# Altium PCB Board-PCB.PcbDoc (part 1 of 2) (continued)
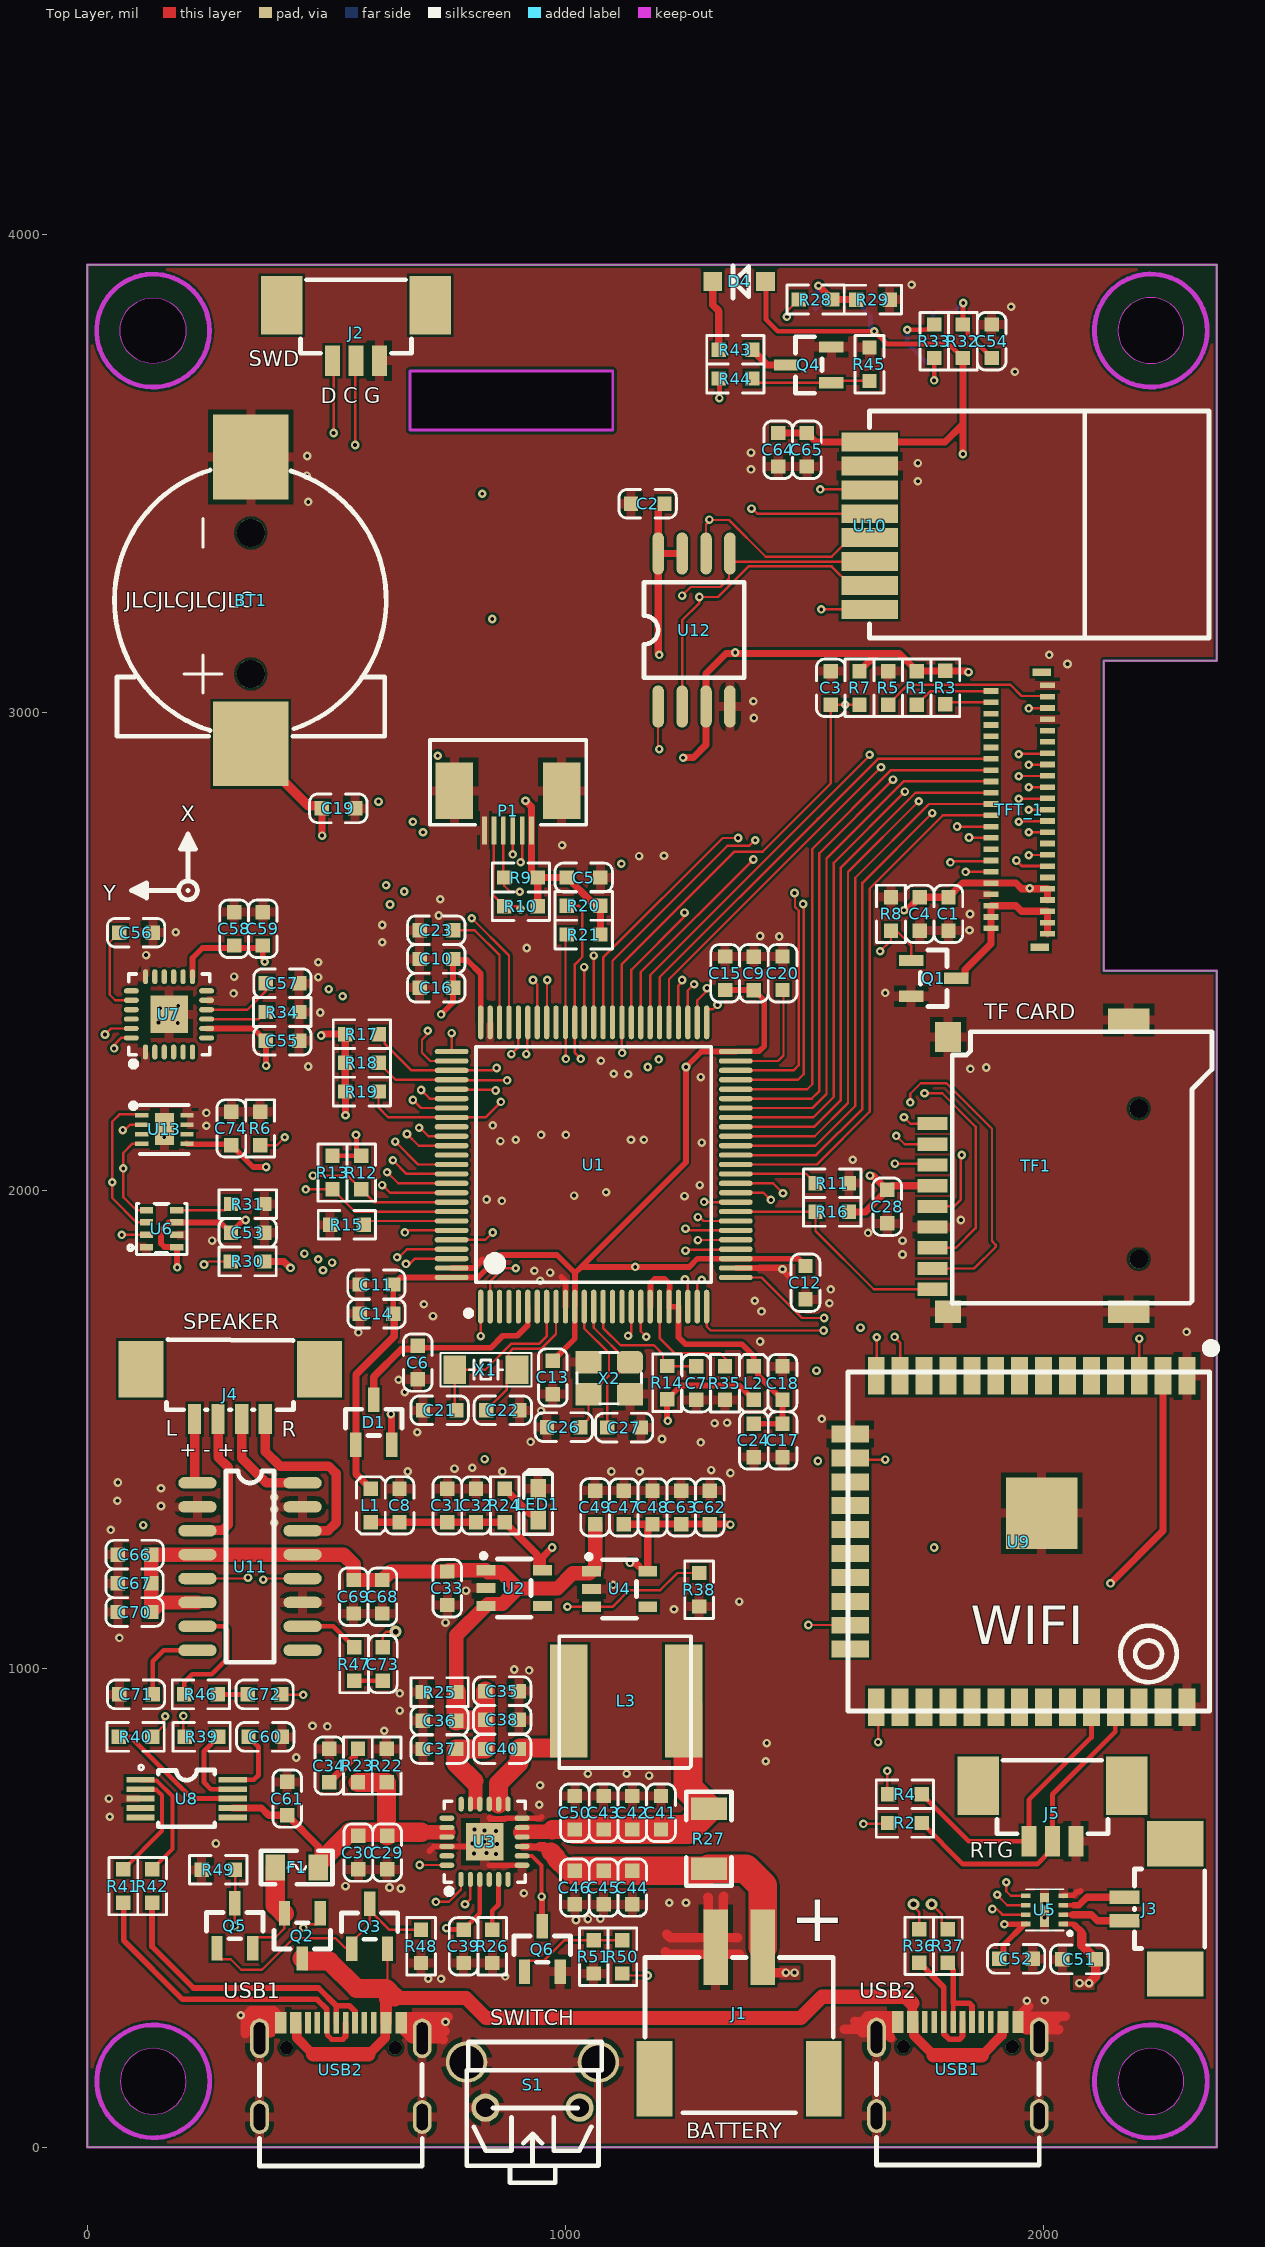
[diagram p0: Top Layer view]
## Components (designator, comment, footprint, x,y, rotation, side; value= is the part's Value field where it differs from the comment)
BT1 "CR1220" CR1220-2 387,3265 r90 top locked
C1 "10uF" "C 0603" 1800.98,2614.16 r270 top
C2 "104" "C 0603" 1207,3437 r180 top
C3 "104" "C 0603" 1555,3087 r270 top
C4 "104" "C 0603" 1740.94,2614.16 r270 top
C5 "104" "C 0603" 1003.02,2655.34 r0 top
C6 "104" "C 0603" 691,1676 r270 top
C7 "104" "C 0603" 1273.62,1562.87 r90 top
C8 "104" "C 0603" 653,1377 r270 top
C9 "104" "C 0603" 1394.04,2489.88 r270 top
C10 "104" "C 0603" 695,2485.04 r0 top
C11 "104" "C 0603" 569.76,1804.13 r0 top
C12 "104" "C 0603" 1502,1773 r90 top
C13 "104" "C 0603" 973.43,1574.8 r90 top
C14 "10uF" "C 0603" 569.88,1743.11 r0 top
C15 "10uF" "C 0603" 1334,2490 r270 top
C16 "10uF" "C 0603" 695,2425 r0 top
C17 "104" "C 0603" 1454,1513 r270 top
C18 "10uF" "C 0603" 1454,1563 r90 top
C19 "104" "C 0603" 560,2800 r180 top
C20 "2.2uF" "C 0603" 1454.08,2490 r270 top
C21 "22pF" "C 0603" 702,1541 r0 top
C22 "22pF" "C 0603" 904,1541 r180 top
C23 "2.2uF" "C 0603" 695,2545.08 r0 top
C24 "104" "C 0603" 1394,1443 r90 top
C26 "22pF" "C 0603" 961.5,1505.91 r0 top
C27 "22pF" "C 0603" 1157.6,1504.92 r180 top
C28 "104" "C 0603" 1673,2002 r270 top
C29 "104" "C 0603" 627,581 r90 top
C30 "10uF" "C 0603" 566.96,581 r90 top
C31 "104" "C 0603" 753,1377 r270 top
C32 "1uF" "C 0603" 813,1377 r270 top
C33 "1uF" "C 0603" 752.95,1133.86 r90 top
C34 "10uF" "C 0603" 505.92,833 r270 top
C35 "104" "C 0603" 902.56,953.74 r180 top
C36 "10uF" "C 0603" 701.65,891.73 r0 top
C37 "22uF" "C 0603" 701.65,832.68 r0 top
C38 "22uF" "C 0603" 902.56,893.7 r180 top
C39 "2.2uF" "C 0603" 787,385 r90 top
C40 "3.3nF" "C 0603" 902.56,832.68 r180 top
C41 "104" "C 0603" 1199.8,734.37 r270 top
C42 "10uF" "C 0603" 1139.76,734.37 r270 top
C43 "104" "C 0603" 1079.72,734.25 r270 top
C44 "104" "C 0603" 1139.76,507.87 r90 top
C45 "10uF" "C 0603" 1079.72,507.76 r90 top
C46 "104" "C 0603" 1019.69,507.76 r90 top
C47 "104" "C 0603" 1122.05,1372.91 r270 top
C48 "1uF" "C 0603" 1182.09,1372.91 r270 top
C49 "1uF" "C 0603" 1062.01,1373.03 r270 top
C50 "104" "C 0603" 1019.69,734.37 r270 top
C51 "104" "C 0603" 2039.37,392.72 r0 top
C52 "104" "C 0603" 1907.36,393.7 r0 top
C53 "104" "C 0603" 370.34,1912.39 r180 top
C54 "1uF" "C 0603" 1891.23,3741.95 r90 top
C55 "103" "C 0603" 372.91,2313.98 r0 top
C56 "2.2nF" "C 0603" 67,2540 r0 top
C57 "104" "C 0603" 443.03,2434.05 r180 top
C58 "104" "C 0603" 307,2583 r270 top
C59 "10uF" "C 0603" 367,2583 r270 top
C60 "104" "C 0603" 407,858 r180 top
C61 "10uF" "C 0603" 418,694 r90 top
C62 "104" "C 0603" 1302,1303 r90 top
C63 "10uF" "C 0603" 1242,1303 r90 top
C64 "104" "C 0603" 1445,3585 r270 top
C65 "10uF" "C 0603" 1505,3585 r270 top
C66 "1uF" "C 0603" 133.98,1239.17 r180 top
C67 "10uF" "C 0603" 133.86,1179.13 r180 top
C68 "1uF" "C 0603" 617.13,1186.02 r270 top
C69 "10uF" "C 0603" 557.09,1186.14 r270 top
C70 "1uF" "C 0603" 63.86,1119.09 r0 top
C71 "104" "C 0603" 66.93,946.85 r0 top
C72 "104" "C 0603" 335.63,946.85 r0 top
C73 "104" "C 0603" 618.11,975.39 r90 top
C74 "104" "C 0603" 301.32,2095.46 r90 top
D1 "BAT54C" SOT-23 561.6,1468.51 r270 top
D2 "LED-RES" "LED 0805" 1572.83,3845.47 r0 bottom
D4 "LED-IR" IR12-21C 1279.12,3893 r180 top
F1 "1000mA" "F 0805" 438,585 r0 top
IR1 "IRM-H638T" IRM-H638T 1892.72,3765.75 r90 bottom
J1 "CON2" XH-2P-SMD 1313.98,418.31 r0 top locked
J2 "CON3" SMD_3P-1.25 512.8,3736.22 r0 top
J3 "CON2" SMD_2P-1.25 2169.29,522.64 r270 top
J4 "CON4" SMD_4P-1.25 165.35,1542.32 r0 top
J5 "CON3" SMD_3P-1.25 1969.28,639.86 r0 top
L1 "10uH" "L 0603" 593,1377 r270 top
L2 "GZ1608D601TF" "L 0603" 1393.7,1632.87 r270 top
L3 "1uH" L_7*7 1007.05,933.07 r0 top
LED1 "LED" 0603_LED 943,1312 r270 top
P1 "TP_Cap_3.5inch 电容屏接口座" TP_CAP_3.5INCH 2263.78,3620.08 r180 bottom locked
Q1 "MOSFET-N" SOT-23 1723,2481.8 r180 top
Q2 "AO3401" SOT-23 487,489 r90 top
Q3 "SS8550" SOT-23 553,415 r270 top
Q4 "SS8050" SOT-23 1556.1,3689.96 r0 top
Q5 "SS8550" SOT-23 271.2,416 r270 top
Q6 "SS8050" SOT-23 914.2,367 r270 top
R1 "0R" "R 0603" 1735,3017 r90 top
R2 "0R" "R 0603" 1745,678 r180 top
R3 "0R" "R 0603" 1794.61,3017.44 r90 top
R4 "0R" "R 0603" 1745,738 r180 top
R5 "0R" "R 0603" 1675,3017 r90 top
R6 "4.7K" "R 0603" 361.36,2165.46 r270 top
R7 "0R" "R 0603" 1615,3087 r270 top
R8 "10K" "R 0603" 1680.9,2544.16 r90 top
R9 "4.7K" "R 0603" 871.99,2655.34 r0 top
R10 "4.7K" "R 0603" 871.99,2595.3 r0 top
R11 "10K" "R 0603" 1523,2016 r0 top
R12 "1K" "R 0603" 572.87,2003.32 r90 top
R13 "1K" "R 0603" 512.83,2003.32 r90 top
R14 "10K" "R 0603" 1212.6,1563.86 r90 top
R15 "10K" "R 0603" 578,1929 r180 top
R16 "4.7K" "R 0603" 1523,1956 r0 top
R17 "4.7K" "R 0603" 539.37,2327.76 r0 top
R18 "4.7K" "R 0603" 539.37,2267.72 r0 top
R19 "4.7K" "R 0603" 539.37,2207.68 r0 top
R20 "4.7K" "R 0603" 1073,2596 r180 top
R21 "4.7K" "R 0603" 1073,2536 r180 top
R22 "1K" "R 0603" 626,833 r270 top
R23 "2R" "R 0603" 565.96,833 r270 top
R24 "1K" "R 0603" 873,1377 r270 top
R25 "1K" "R 0603" 701.65,951.77 r0 top
R26 "100K" "R 0603" 847,455 r270 top
R27 "0.01R" "R 1206" 1300,582.01 r90 top
R28 "1K" "R 0603" 1558.07,3864.17 r180 top
R29 "10K" "R 0603" 1678,3864 r180 top
R30 "10K" "R 0603" 300.22,1852.35 r0 top
R31 "10K" "R 0603" 300.34,1972.43 r0 top
R32 "100R" "R 0603" 1831.19,3741.95 r90 top
R33 "100R" "R 0603" 1771.15,3741.95 r90 top
R34 "4.7K" "R 0603" 442.91,2374.02 r180 top
R35 "0R" "R 0603" 1333.66,1562.87 r90 top
R36 "22R" "R 0603" 1739.76,385.91 r90 top
R37 "22R" "R 0603" 1799.8,385.91 r90 top
R38 "10K" "R 0603" 1279.53,1130.79 r90 top
R39 "1K" "R 0603" 274,858 r180 top
R40 "1K" "R 0603" 66,858 r0 top
R41 "22R" "R 0603" 75.39,510.91 r90 top
R42 "22R" "R 0603" 135.43,510.91 r90 top
R43 "22R" "R 0603" 1390.5,3759 r180 top
R44 "1K" "R 0603" 1320.39,3698.96 r0 top
R45 "10K" "R 0603" 1635.83,3763.9 r270 top
R46 "10K" "R 0603" 272.64,946.85 r180 top
R47 "10K" "R 0603" 558.07,975.39 r90 top
R48 "10K" "R 0603" 698,385 r90 top
R49 "10K" "R 0603" 239,580 r0 top
R50 "1K" "R 0603" 1119,433 r270 top
R51 "10K" "R 0603" 1059,363 r90 top
S1 "Swtich" SW3*6 926.18,125 r0 top
TF1 "TF Card" TF-CARD 1767.91,2140.75 r0 top locked
TFT_1 "TFT_3.5_Tiky_ODM" TFT_3.5_TIKY_ODM 98.43,3620.08 r0 bottom locked
U1 "STM32F429VGT6" LQFP100 822.84,1757.88 r0 top
U2 "RT9013" SOT23-5 833.66,1206.69 r180 top
U3 "IP5109" QFN-24 781.5,560.04 r0 top
U4 "RT9013" SOT23-5 1054.13,1204.72 r180 top
U5 "DRV8837" WSON-8 1996.98,506.06 r90 top
U6 "BMP280" LGA-8 225.52,1901.05 r0 top
U7 "MPU6050" QFN-24 121.55,2290.35 r0 top
U8 "CH340E" MSOP-10 111,768.37 r270 top
U9 "ESP32-WROOM-32U" ESP32-WROOM-32U 1947.82,1266.55 r0 top
U10 "NRF24l01" NRF24L01 1940.94,3491.14 r270 top
U11 "PAM8403" SOP-16 390.32,1309.17 r270 top
U12 "XM25QH128AHIG" SOIC-8 1163,3338 r0 top
U13 "SHT3X" DFN-8 113.68,2157.87 r270 top
USB1 "TYPE-C" USB-TYPE-C 1820.67,163.39 r90 top
USB2 "TYPE-C" USB-TYPE-C 530.32,161.42 r90 top
X1 "32.768KHZ" XTAL-3215 768.7,1625.98 r0 top
X2 "25MHZ" SMD-3225 1135.27,1641.85 r180 top

## Footprints (in the part's own frame and the unit in brackets; to place one, negate y for a bottom-side part, rotate by r counter-clockwise, add the part's x,y. Pads: shape width x height; smd on the part's side, far side on the other; paste and mask are expansions set on the pad)
0603_LED [mil]
  rect 40x32 smd: 1(0,0) 2(-65,0)
  silkscreen extent -105,-30 30,30, body extent -61,-16 2,16, height 24
"C 0603" [mil]
  rect 30x30 smd: 1(0,0) 2(70,0)
  silkscreen extent -25,-30 95,30, body extent 4,-16 67,16, height 20
CR1220-2 [mil]
  rect 177.16x157.48 smd: 1(-330,45) 2(270,45)
  round 59.06 hole 59.06 unplated: ""(-184,45) ""(111,45)
  silkscreen extent -314,-238 242,330
DFN-8 [mm]
  rect 0.25x0.7 smd: 1(0,0) 2(0.5,0) 3(1,0) 4(1.5,0) 5(1.5,2.4) 6(1,2.4) 7(0.5,2.4) 8(0,2.4)
  rect 1.7x1 smd: 9(0.735,1.213)
  silkscreen extent -0.64,-0.57 2.05,2.5, body extent -0.53,-0.09 1.97,2.41, height 0.9
ESP32-WROOM-32U [mm]
  rect 0.9x2 smd: 1(8.945,8.8) 2(7.675,8.8) 3(6.405,8.8) 4(5.135,8.8) 5(3.865,8.8) 6(2.595,8.8) 7(1.325,8.8) 8(0.055,8.8) 9(-1.215,8.8) 10(-2.485,8.8) 11(-3.755,8.8) 12(-5.025,8.8) 13(-6.295,8.8) 14(-7.565,8.8) 25(-7.565,-8.8) 26(-6.295,-8.8) 27(-5.025,-8.8) 28(-3.755,-8.8) 29(-2.485,-8.8) 30(-1.215,-8.8) 31(0.055,-8.8) 32(1.325,-8.8) 33(2.595,-8.8) 34(3.865,-8.8) 35(5.135,-8.8) 36(6.405,-8.8) 37(7.675,-8.8) 38(8.945,-8.8)
  rect 2x0.9 smd: 15(-8.945,5.715) 16(-8.945,4.445) 17(-8.945,3.175) 18(-8.945,1.905) 19(-8.945,0.635) 20(-8.945,-0.635) 21(-8.945,-1.905) 22(-8.945,-3.175) 23(-8.945,-4.445) 24(-8.945,-5.715)
  rect 3.8x3.8 smd: 39(1.22,1.51)
  silkscreen extent -9.06,-8.99 10.45,10.51
"F 0805" [mil]
  rect 40x55 smd: 1(-45,0) 2(45,0)
  silkscreen extent -75,-35 75,35, body extent -39,-24 39,24, height 20
IR12-21C [mm]
  rect 1x1 smd: 1(-3.534,-0.229) 2(-0.734,-0.229)
  silkscreen extent -2.64,-1.07 -1.8,0.66, body extent -3.61,-1.73 -0.61,0.28, height 1.01
IRM-H638T [mm]
  rect 0.7x1.4 smd: 1(1.702,2.646) 2(-0.838,2.646) 3(-0.838,-3.154) 4(1.702,-3.154)
  silkscreen extent -2.07,-2.25 2.93,1.75, body extent -2.08,-3.74 2.92,3.26, height 2.5
"L 0603" [mil]
  rect 30x30 smd: 1(0,0) 2(70,0)
  silkscreen extent -25,-30 95,30, body extent 15,-40 120,0, height 17
L_7*7 [mm]
  rect 2x6 smd: 1(0,0) 2(6.096,0)
  silkscreen extent -0.51,-3.56 6.49,3.44, body extent -0.6,-3.3 6.7,3.3, height 3
"LED 0805" [mil]
  rect 60x50 smd: 1(-50,0)
  oct 60x50 smd: 2(50,0)
  silkscreen extent -90,-35 105,35, body extent -39,-25 39,25, height 26
LGA-8 [mil]
  rect 27.56x13.8 smd: 1(-101.5,-18.6) 2(-101.5,7) 3(-101.5,33) 4(-101.5,58.6) 5(-38.5,58.6) 6(-38.5,33) 7(-38.5,7) 8(-38.5,-18.6)
  silkscreen extent -140,-34 -17,72, body extent -109,-29 -31,69, height 39
LQFP100 [mm]
  oval 0.28x1.796 smd: 1(0,0) 2(0.5,0) 3(1,0) 4(1.5,0) 5(2,0) 6(2.5,0) 7(3,0) 8(3.5,0) 9(4,0) 10(4.5,0) 11(5,0) 12(5.5,0) 13(6,0) 14(6.5,0) 15(7,0) 16(7.5,0) 17(8,0) 18(8.5,0) 19(9,0) 20(9.5,0) 21(10,0) 22(10.5,0) 23(11,0) 24(11.5,0) 25(12,0) 51(12,15.1) 52(11.5,15.1) 53(11,15.1) 54(10.5,15.1) 55(10,15.1) 56(9.5,15.1) 57(9,15.1) 58(8.5,15.1) 59(8,15.1) 60(7.5,15.1) 61(7,15.1) 62(6.5,15.1) 63(6,15.1) 64(5.5,15.1) 65(5,15.1) 66(4.5,15.1) 67(4,15.1) 68(3.5,15.1) 69(3,15.1) 70(2.5,15.1) 71(2,15.1) 72(1.5,15.1) 73(1,15.1) 74(0.5,15.1) 75(0,15.1)
  oval 1.796x0.28 smd: 26(13.55,1.55) 27(13.55,2.05) 28(13.55,2.55) 29(13.55,3.05) 30(13.55,3.55) 31(13.55,4.05) 32(13.55,4.55) 33(13.55,5.05) 34(13.55,5.55) 35(13.55,6.05) 36(13.55,6.55) 37(13.55,7.05) 38(13.55,7.55) 39(13.55,8.05) 40(13.55,8.55) 41(13.55,9.05) 42(13.55,9.55) 43(13.55,10.05) 44(13.55,10.55) 45(13.55,11.05) 46(13.55,11.55) 47(13.55,12.05) 48(13.55,12.55) 49(13.55,13.05) 50(13.55,13.55) 76(-1.55,13.55) 77(-1.55,13.05) 78(-1.55,12.55) 79(-1.55,12.05) 80(-1.55,11.55) 81(-1.55,11.05) 82(-1.55,10.55) 83(-1.55,10.05) 84(-1.55,9.55) 85(-1.55,9.05) 86(-1.55,8.55) 87(-1.55,8.05) 88(-1.55,7.55) 89(-1.55,7.05) 90(-1.55,6.55) 91(-1.55,6.05) 92(-1.55,5.55) 93(-1.55,5.05) 94(-1.55,4.55) 95(-1.55,4.05) 96(-1.55,3.55) 97(-1.55,3.05) 98(-1.55,2.55) 99(-1.55,2.05) 100(-1.55,1.55)
  silkscreen extent -0.8,-0.5 12.25,13.8, body extent -2,-0.46 14.01,15.55, height 1.05
MSOP-10 [mil]
  rect 12x59.06 smd: 1(0,0) 2(19.69,0) 3(39.37,0) 4(59.06,0) 5(78.74,0) 6(78.74,193) 7(59.06,193) 8(39.37,193) 9(19.69,193) 10(0,193)
  silkscreen extent -31,-3 98,156, body extent -19,-4 99,194, height 41
NRF24L01 [mm]
  rect 1x3 smd: 1(-1.905,-7.747) 2(-0.635,-7.747) 3(0.635,-7.747) 4(1.905,-7.747) 5(3.175,-7.747) 6(4.445,-7.747) 7(5.715,-7.747) 8(6.985,-7.747)
  silkscreen extent -3.56,-7.75 8.51,10.29, body extent -3.46,-7.75 8.54,10.25, height 0.8
QFN-24 [mm]
  oval 0.28x0.796 smd: 1(0,0) 2(0.5,0) 3(1,0) 4(1.5,0) 5(2,0) 6(2.5,0) 13(2.5,4) 14(2,4) 15(1.5,4) 16(1,4) 17(0.5,4) 18(0.008,4)
  oval 0.796x0.28 smd: 7(3.25,0.75) 8(3.25,1.25) 9(3.25,1.75) 10(3.25,2.25) 11(3.25,2.75) 12(3.25,3.25) 19(-0.75,3.25) 20(-0.75,2.75) 21(-0.75,2.25) 22(-0.75,1.75) 23(-0.75,1.25) 24(-0.75,0.75)
  rect 2x2 smd: 25(1.263,2)
  silkscreen extent -0.89,-0.79 3.41,4.15, body extent -0.74,0 3.26,4, height 0.9
"R 0603" [mil]
  rect 30x30 smd: 1(0,0) 2(70,0)
  silkscreen extent -25,-30 95,30, body extent 2,-16 68,16, height 22
"R 1206" [mm]
  rect 1.2x1.9 smd: 1(0,0) 2(3.2,0)
  silkscreen extent -0.9,-1.2 4.1,1.2, body extent 0.05,-0.76 3.25,0.84, height 0.6
SMD-3225 [mm]
  rrect50% 1.4x1.2 smd: 1(0.011,0.003)
  rect 1.4x1.2 smd: 2(2.211,0.003) 3(2.211,1.703) 4(0.011,1.703)
  silkscreen extent -0.61,-0.51 2.82,2.21, body extent -0.46,-0.36 2.74,2.14, height 0.81
SMD_2P-1.25 [mm] "立贴"
  rect 2.4x3 smd: 0(-2.843,2.689) 0(4.071,2.69)
  rect 0.7x1.6 smd: 1(0,0) 2(1.25,0)
  silkscreen extent -1.5,0.53 2.72,4.26, body extent -3.17,0 4.48,4.2, height 4.66
SMD_3P-1.25 [mm]
  rect 2.2x3.1 smd: 0(-2.7,2.95) 0(5.2,2.95)
  rect 0.8x1.6 smd: 1(0,0) 2(1.25,0) 3(2.5,0)
  silkscreen extent -1.7,0.4 4.2,4.3
SMD_4P-1.25 [mm]
  rect 2.4x3 smd: 0(-1.345,2.159) 0(8.128,2.159)
  rect 0.7x1.6 smd: 1(1.5,-0.5) 2(2.75,-0.5) 3(4,-0.5) 4(5.25,-0.5)
  silkscreen extent 0,0 6.76,3.73, body extent -1.71,-0.35 8.51,3.55, height 4.75
SOIC-8 [mil]
  oval 24x88 smd: 1(31,-325) 2(81,-325) 3(131,-325) 4(181,-325) 5(181,-5) 6(131,-5) 7(81,-5) 8(31,-5)
  silkscreen extent 1,-265 211,-65, body extent 0,-330 212,0, height 91
SOP-16 [mil]
  oval 24x80 smd: 1(-80,-160) 2(-30,-160) 3(20,-160) 4(70,-160) 5(120,-160) 6(170,-160) 7(220,-160) 8(270,-160) 9(270,60) 10(220,60) 11(170,60) 12(120,60) 13(70,60) 14(20,60) 15(-30,60) 16(-80,60)
  silkscreen extent -105,-100 295,0, body extent -101,-173 291,73, height 62
SOT23-5 [mm]
  rect 1x0.55 smd: 1(0,0) 2(0,0.95) 3(0,1.9) 4(-3,1.9) 5(-3,0)
  silkscreen extent -2.4,-0.89 0.25,2.5, body extent -2.72,-0.56 -0.22,2.44, height 1.06
SOT-23 [mm]
  rect 1.3x0.6 smd: 1(0,0) 2(0,1.9) 3(-2.4,0.95)
  silkscreen extent -1.9,-0.55 -0.5,2.45, body extent -2.46,-0.56 0.04,2.44, height 1.06
SW3*6 [mm]
  round 1.5 hole 1: 1(-2.372,-1.082) 2(2.626,-1.082)
  round 2.2 hole 1.8: 3(-3.373,1.336) 3(3.627,1.336)
  silkscreen extent -3.37,-5.06 3.81,2.41
TF-CARD [mm]
  round 1 hole 1: 0(10.956,-7.2) 0(10.956,0.8)
  rect 1.6x0.7 smd: 1(0,0) 2(0,-1.1) 3(0,-2.2) 4(0,-3.3) 5(0,-4.4) 6(0,-5.5) 7(0,-6.6) 8(0,-7.7) 9(0,-8.8)
  rect 1.4x1.2 smd: 10(0.82,-10)
  rect 2.2x1.2 smd: 11(10.42,-10) 13(10.42,5.5)
  rect 1.4x1.6 smd: 12(0.82,4.6)
  silkscreen extent 1.03,-9.55 14.84,4.88, body extent -0.25,-10.34 16.95,5.76, height 2.2
TFT_3.5_TIKY_ODM [mm]
  rect 1x0.4 smd far side: 0(48.1,28.2) 0(48.2,13.6)
  rect 0.8x0.3 smd far side: 1(48.5,27.5) 2(45.5,27.2) 3(48.5,26.9) 4(45.5,26.6) 5(48.5,26.3) 6(45.5,26) 7(48.5,25.7) 8(45.5,25.4) 9(48.5,25.1) 10(45.5,24.8) 11(48.5,24.5) 12(45.5,24.2) 13(48.5,23.9) 14(45.5,23.6) 15(48.5,23.3) 16(45.5,23) 17(48.5,22.7) 18(45.5,22.4) 19(48.5,22.1) 20(45.5,21.8) 21(48.5,21.5) 22(45.5,21.2) 23(48.5,20.9) 24(45.5,20.6) 25(48.5,20.3) 26(45.5,20) 27(48.5,19.7) 28(45.5,19.4) 29(48.5,19.1) 30(45.5,18.8) 31(48.5,18.5) 32(45.5,18.2) 33(48.5,17.9) 34(45.5,17.6) 35(48.5,17.3) 36(45.5,17) 37(48.5,16.7) 38(45.5,16.4) 39(48.5,16.1) 40(45.5,15.8) 41(48.5,15.5) 42(45.5,15.2) 43(48.5,14.9) 44(45.5,14.6) 45(48.5,14.3)
  silkscreen extent 0,0 55,84.5
TP_CAP_3.5INCH [mm]
  rect 0.25x1.5 smd far side: 1(33.9,-22) 2(34.4,-22) 3(34.9,-22) 4(35.4,-22) 5(35.9,-22) 6(36.4,-22)
  rect 2x3 smd far side: 7(32.3,-19.9)
  rect 2x3 smd far side paste+0: 8(38,-19.9)
  silkscreen extent 0,-84.5 55,0
USB-TYPE-C [mm] "TYPE-C座子16PIN"
  rect 1.15x0.6 smd: A1B12(2.5,3.2) A4B9(2.5,2.4) B1A12(2.5,-3.2) B4A9(2.5,-2.4)
  rect 1.15x0.3 smd: A5(2.5,1.25) A6(2.5,0.25) A7(2.5,-0.25) A8(2.5,1.75) B5(2.5,-1.75) B6(2.5,-0.75) B7(2.5,0.75) B8(2.5,-1.25)
  oval 1.8x1 hole 0.6 slot 1.4 at 0 deg: shell(-2.5,4.32) shell(-2.5,-4.32)
  oval 2.1x1 hole 0.6 slot 1.7 at 0 deg: shell(1.68,4.32) shell(1.68,-4.32)
  silkscreen extent -5.1,-4.32 0.29,4.32, body extent -5.1,-4.5 2.5,4.5, height 3.28
WSON-8 [mil]
  rect 9.84x19.68 smd: 1(-39.57,-44.38) 2(-19.9,-44.43) 3(-0.12,-44.42) 4(19.56,-44.43) 5(19.57,34.43) 6(-0.2,34.43) 7(-19.88,34.39) 8(-39.55,34.39)
  rect 70.87x19.69 smd: 9(-10,-4.99)
  silkscreen extent -63,-62 33,34
XH-2P-SMD [mm]
  rect 1.3x4 smd: 1(0,0) 2(2.5,0)
  rect 1.9x4 smd: 3(5.75,-7) 4(-3.25,-7)
  silkscreen extent -3.75,-8.8 6.25,-0.55, body extent -3.73,-8.83 6.27,1.59, height 6.05
XTAL-3215 [mm]
  rect 1.2x1.5 smd: 1(0,0) 2(3.3,0)
  silkscreen extent -0.76,-0.89 4.06,0.89, body extent 0.05,-0.75 3.25,0.75, height 0.61

## Part data
BT1: library part Battery, "Multicell Battery", LatestRevisionDate=17-Jul-2002, LatestRevisionNote="Re-released for DXP Platform.", PackageDescription="Battery; 2 Leads", PackageReference=BAT-2, Published=24-Mar-1999, Publisher="Altium Limited"
C1 C2 C4 C5 C28 C29 C30 C34 C35 C36 C37 C38 C40 C41 C42 C43 C44 C45 C46 C50 C55 C56 C57 C58 C59: library part Cap, "Capacitor"
C3 C6 C7 C8 C9 C10 C11 C12 C13 C14 C15 C16 C17 C18 C19 C20 C21 C22 C23 C24 C26 C27 C31 C32 C33 C39 C47 C48 C49 C51 C52 C53 C54 C62 C63 C64 C65 C66 C67 C68 C69 C70 C71 C72 C73 C74: library part CAP
C60 C61: library part CAP, "Capacitor"
D2: library part LRES, "光敏传感器"
F1: library part F, "熔断开关"
L1 L2: library part INDUCTOR
L3: library part Inductor, "Inductor"
P1: library part BHEADSMD1x6
Q2: library part PMOS
Q3 Q5: library part PNP
Q4 Q6: library part NPN
R1 R2 R3 R4 R5 R6 R7 R8 R9 R10 R11 R12 R13 R14 R15 R16 R17 R18 R19 R20 R21 R22 R23 R24 R25 R26 R27 R28 R29 R30 R31 R32 R33 R34 R35 R36 R37 R38 R39 R40 R41 R42 R43 R44 R45 R46 R47 R48 R49 R50 R51: library part RES
S1: library part Switch-th
U2 U4: "500mA低压差LDO"
U3: BOM_LCSC Assembly=Yes, BOM_Manufacturer=INJOINIC, BOM_Manufacturer Part=IP5109, BOM_Supplier=LCSC, BOM_Supplier Part=C181699, Contributor=LCSC, SMT Type=Extend, spicePre=U, spiceSymbolName=IP5109
U12: library part W25Q128
USB1 USB2: library part "USB TYPE-C", "TYPE-C 16pin"
X1: library part XTAL-2P
X2: library part XTAL-4P

## Via types
v1: diameter 18, hole 8, Top Layer to Bottom Layer, tented both sides, 353 vias
v2: diameter 27.56/15.75/15.75/27.56 (per signal layer), hole 27.56, Top Layer to Bottom Layer, tented both sides, 4 vias
v3: diameter 25, hole 12, Top Layer to Bottom Layer, tented both sides, 3 vias

## Nets (pads, with @x,y where several pads share a name; then routed paths per layer and width w, separated by ;. In a path a pad name is that pad's centre, name@x,y a point inside that pad or via, vN(x,y) a via of type N, cw(c..) or ccw(c..) an arc to the next point about the centre after c; other vN are vias at no path point)
AD0: R34.2 U7.9 | length 129.5
  Top Layer w5: U7.9@249.5,2359.25 358.15,2359.25 R34.2@372.91,2374.02
ADC_LIGHT: R28.2 U1.18 | length 2562.2
  Top Layer w5: U1.18@1157.49,1757.88 1157.49,1706.51 v1(1169,1695) ; v1(1463,3828) 1465.49,3830.49 1465.49,3841.59 R28.2@1488.07,3864.17
  Mid Layer 2 w5: v1(1169,1695) 1111,1753 1111,2088 981,2218 981,2645 1078,2742 1078,3507 1398,3827 1462,3827 v1(1463,3828)
BMP_SCL: R12.1 U1.92 U3.24 U6.4 U7.23 U13.4 | length 2872.5
  Top Layer w5: v1(37,2327) 49.57,2339.57 U7.23@92.02,2339.57 ; U13.4@113.67,2098.81 94.81,2098.81 75,2079 v1(75,2047) 75,1987 102.35,1959.65 U6.4@124.02,1959.65 ; v1(472,2032) 544.19,2032 R12.1@572.87,2003.32 599.81,1976.38 U1.92@761.82,1976.38 ; v1(695,590) 751.54,590 U3.24@751.97,589.57
  Mid Layer 1 w5: v1(75,2047) 75,2036 83,2028 464.48,2028 468.48,2032 v1(472,2032)
  Mid Layer 2 w5: v1(37,2327) 37,2085 v1(75,2047) ; v1(472,2032) 547,1957 547,1347 680,1214 680,605 v1(695,590)
BMP_SDA: R13.1 U1.93 U3.1 U6.3 U7.24 U13.1 | length 3145.3
  Top Layer w5: v1(56,2298) 56,2305.35 70.53,2319.88 U7.24@92.02,2319.88 ; U13.1@112.81,2157 109.81,2160 67,2160 52,2145 v1(52,2018) 52,1985 102.95,1934.05 U6.3@124.02,1934.05 ; v1(457,2003) 457.32,2003.32 R13.1@512.83,2003.32 559.46,1956.69 U1.93@761.82,1956.69 ; v1(729,513) 755.94,513 781.5,538.55 U3.1@781.5,560.04
  Mid Layer 1 w5: v1(52,2018) 442,2018 v1(457,2003)
  Mid Layer 2 w5: v1(52,2018) 77,2018 95,2036 95,2055 47,2103 47,2285.48 56,2294.48 v1(56,2298) ; v1(457,2003) 458,2002 484.93,2002 537,1949.93 537,1338.96 670,1205.96 670,572 v1(729,513)
CTP_INT: P1.3 U1.96 | length 978.1
  Top Layer w5: U1.96@761.82,1897.64 832.64,1897.64 v1(848,1913) ; v1(889.76,2703.76) P1.3@889.76,2753.94
  Mid Layer 2 w5: v1(848,1913) 815,1946 815,2413 876,2474 876,2690 v1(889.76,2703.76)
CTP_SCL: P1.5 R10.1 U1.47 | length 1303.5
  Top Layer w5: P1.5@850.39,2753.94 850.39,2674.35 849.49,2673.45 849.49,2617.8 R10.1@871.99,2595.3 899.7,2595.3 v1(906,2589) ; U1.47@1356.3,2232.29 1486.29,2232.29 1498,2244 1498,2599 v1(1497,2600)
  Mid Layer 1 w5: v1(906,2589) 917,2600 v1(1497,2600)
CTP_SDA: P1.4 R9.1 U1.48 | length 1240.7
  Top Layer w5: P1.4@870.08,2753.94 870.08,2657.25 R9.1@871.99,2655.34 871.99,2638.01 884.5,2625.5 v1(904.5,2625.5) ; U1.48@1356.3,2251.97 1476.97,2251.97 1488,2263 1488,2585.67 1480,2593.67 1480,2622 v1(1479,2623)
  Mid Layer 1 w5: v1(904.5,2625.5) 920,2610 1464.67,2610 1477.67,2623 v1(1479,2623)
DAC1: C72.2 U1.29 | length 1840.3
  Top Layer w5: C72.2@405.63,946.85 406.61,945.87 v1(451.77,945.87) ; v1(1251,1875) 1252.8,1876.8 1355.15,1876.8 U1.29@1356.3,1877.95
  Mid Layer 1 w5: v1(493,1834) 493.5,1833.5 534.5,1833.5 584,1883 911.74,1883 919.74,1875 v1(1251,1875)
  Mid Layer 2 w5: v1(451.77,945.87) 451.77,1702.77 493,1744 v1(493,1834)
DAC2: C73.2 U1.30 | length 1788.2
  Top Layer w5: C73.2@618.11,1045.39 618.11,1071.11 625,1078 v3(645,1078) ; v1(1277,1897) 1277.32,1897.32 1355.98,1897.32 U1.30@1356.3,1897.64
  Mid Layer 1 w5: v1(512,1850) 525,1850 568,1893 1269.48,1893 1273.48,1897 v1(1277,1897)
  Mid Layer 2 w5: v1(512,1850) 512,1748.86 461.77,1698.63 461.77,1261.23 v3(645,1078)
DEV_EN: R38.2 U1.2 U4.3 | length 1188
  Top Layer w5: U1.2@842.52,1757.88 842.52,1810.52 870,1838 v1(896,1838) ; v1(1004,1130) U4.3@1054.13,1129.92 U4.3@1054.13,1129.92 1098.37,1129.92 1133.45,1165 1198.37,1165 1234.16,1200.79 R38.2@1279.53,1200.79
  Mid Layer 2 w5: v1(896,1838) 896,1216 982,1130 v1(1004,1130)
ESP_CLK: U1.89 U9.13 | length 1518
  Top Layer w5: v1(639,2064) 667.56,2035.44 U1.89@761.82,2035.44 ; U9.13@1687,1625.99 U9.13@1699.98,1613.01 1699.98,1682.66 1688.49,1694.15 v1(1688.49,1694.51)
  Mid Layer 1 w5: v1(639,2064) 1449,2064 1636,1877 1636,1748.14 1688.49,1695.65 v1(1688.49,1694.51)
ESP_CS: U1.35 U9.23 | length 1093.2
  Top Layer w5: U1.35@1356.3,1996.06 1413.94,1996.06 1429,1981 v1(1429.75,1981) ; v1(1508,1092) U9.23@1595.21,1092 ; U9.23@1592.21,1095 U9.23@1595.21,1092 ; U9.23@1595.66,1091.55 U9.23@1595.21,1092
  Mid Layer 2 w5: v1(1429.75,1981) 1485,1925.75 1485,1115 v1(1508,1092)
ESP_DOWN: U1.1 U9.25 | length 1735.9
  Top Layer w5: v1(822.84,1696.16) U1.1@822.84,1757.88 ; U9.25@1649.99,920.09 1654,916.08 v1(1654,847)
  Mid Layer 1 w5: v1(831,1439) 835,1435 v1(1528,1435)
  Mid Layer 2 w5: v1(822.84,1696.16) 822.84,1447.16 v1(831,1439) ; v1(1528,1435) 1528,1230.33 1654,1104.33 v1(1654,847)
ESP_MISO: U1.90 U9.14 | length 1495.3
  Top Layer w5: v1(627,2039) 650.25,2015.75 U1.90@761.82,2015.75 ; U9.14@1649.99,1613.01 1650.99,1614.01 v1(1650.99,1694)
  Mid Layer 1 w5: v1(627,2039) 654,2039 669,2054 1444.86,2054 1626,1872.86 1626,1744 1650.99,1719.01 v1(1650.99,1694)
ESP_MOSI: U1.91 U9.16 | length 1764.8
  Top Layer w5: v1(616.5,2012) 617,2012 632.94,1996.06 U1.91@761.82,1996.06 ; U9.16@1595.66,1441.56 1599.21,1438 v1(1669,1438)
  Mid Layer 1 w5: v1(616.5,2012) 641.14,2012 673.14,2044 1440.72,2044 1616,1868.72 1616,1715 v1(1617,1714)
  Mid Layer 2 w5: v1(1617,1714) 1617,1490 v1(1669,1438)
ESP_RST: U1.36 U9.3 | length 1288
  Top Layer w5: U1.36@1356.3,2015.75 1434.25,2015.75 v1(1455,1995) ; U9.3@2200,1613 v1(2200,1691)
  Mid Layer 1 w5: v1(1525,1624) 2133,1624 v1(2200,1691)
  Mid Layer 2 w5: v1(1455,1995) 1455,1991.57 1497,1949.57 1497,1652 v1(1525,1624)
ESP_RX: R2.2 U1.26 | length 1428.4
  Top Layer w5: U1.26@1356.3,1818.9 1410.1,1818.9 1495,1734 v1(1541,1734) ; v1(1623,676) 1673,676 R2.2@1675,678
  Mid Layer 2 w5: v1(1541,1734) 1587,1688 1587,1222 1700,1109 1700,753 v1(1623,676)
ESP_TX: R4.2 U1.25 | length 1329.5
  Top Layer w5: U1.25@1295.28,1757.88 1295.28,1716.71 1303.99,1708 v1(1540,1708) ; v1(1673,787) 1673,740 R4.2@1675,738
  Mid Layer 2 w5: v1(1540,1708) 1575,1673 1575,1219.86 1690,1104.86 1690,804 v1(1673,787)
FLASH_CLK: U1.52 U10.5 U12.6 | length 1519.8
  Top Layer w5: U1.52@1275.6,2352.36 1275.6,2398.26 1296,2418.67 v1(1296,2424) ; U12.6@1294,3333 1294,3393.48 1301,3400.48 v1(1301,3404) 1302,3403 1342,3403 1418.86,3326.14 1556.6,3326.14 1596.57,3366.14 U10.5@1635.94,3366.14
  Mid Layer 2 w5: v1(1296,2424) 1298,2426 1298,3397.48 1301,3400.48 v1(1301,3404)
FLASH_CS: U1.77 U12.1 | length 1262.7
  Top Layer w5: v1(712,2335) 712,2328 700,2316 700,2289 717.34,2271.66 U1.77@761.82,2271.66 ; U12.1@1194,3013 1193.5,3012.5 1193.5,2926.5 v1(1196,2924)
  Mid Layer 1 w5: v1(733,2910) 1182,2910 v1(1196,2924)
  Mid Layer 2 w5: v1(712,2335) 712,2632.26 733,2653.26 v1(733,2910)
FLASH_MISO: U1.53 U10.7 U12.2 | length 1548.4
  Top Layer w5: U12.2@1244,3013 1244,3193.33 1280,3229.33 v1(1280,3242) 1319,3242 1383.14,3306.14 1556.6,3306.14 ; U1.53@1255.91,2352.36 1255.91,2418.91 v1(1269,2432) ; 1556.6,3306.12 1596.57,3266.14 U10.7@1635.94,3266.14
  Mid Layer 2 w5: v1(1269,2432) 1287,2450 1287,3235 v1(1280,3242)
FLASH_MOSI: U1.54 U10.6 U12.5 | length 1384.5
  Top Layer w5: U1.54@1236.23,2352.36 1236.23,2429.23 1244,2437 v1(1244,2441) ; v1(1244,3245) 1262,3263 1324,3263 1342,3281 U12.5@1342,3326.92 ; U12.5@1342,3331 U12.5@1342,3326.92 ; U10.6@1635.94,3316.14 1352.78,3316.14 U12.5@1342,3326.92
  Mid Layer 2 w5: v1(1244,2441) 1277,2474 1277,3212 v1(1244,3245)
GND: BT1.2 C1.2 C2.2 C3.1 C4.2 C5.2 C6.2 C7.1 C8.1 C9.1 C10.1 C11.1 C12.1 C13.1 C14.1 C15.1 C16.1 C17.2 C18.2 C19.1 C20.1 C21.1 C22.1 C23.1 C24.1 C26.1 C27.1 C28.2 C29.1 C30.1 C31.1 C32.1 C33.1 C34.1 C35.1 C36.1 C37.1 C38.1 C39.1 C41.1 C42.1 C43.1 C44.1 C45.1 C46.1 C47.1 C48.1 C49.1 C50.1 C51.1 C52.2 C53.1 C54.2 C55.2 C56.2 C57.1 C58.1 C59.1 C60.1 C61.2 C62.2 C63.2 C64.2 C65.2 C66.2 C67.2 C68.2 C69.2 C70.1 C71.1 C74.2 IR1.1 IR1.2 J1.1 J2.3 J5.3 LED1.2 P1.6 P1.7 P1.8 Q1.2 Q4.2 Q6.2 R5.2 R6.1 R8.2 R11.2 R15.2 R22.1 R25.1 R26.2 R29.1 R31.2 R34.1 R35.1 R38.1 R45.1 R48.1 R49.1 R51.1 S1.1 S1.3 TF1.6 TF1.10 TF1.11 TF1.12 TF1.13 TFT_1.8 TFT_1.39 TFT_1.45 U1.10 U1.27 U1.74 U1.99 U2.2 U3.7 U3.12 U3.22 U3.25 U4.2 U5.4 U5.9 U6.1 U6.7 U7.1 U7.11 U7.18 U7.25 U8.3 U9.1 U9.15 U9.38 U9.39 U10.2 U11.2 U11.11 U11.15 U12.4 U13.7 U13.8 U13.9 USB1.A1B12 USB1.B1A12 USB1.shell USB2.A1B12 USB2.B1A12 USB2.shell X2.2 X2.4 | length 2721.1
  Top Layer w12: 715,619 724.94,628.94 U3.22@751.97,628.94 821.37,628.94 v1(831.21,638.78) ; U1.99@761.82,1838.58 808.58,1838.58 826.93,1856.93 ; 841.21,589.41 841.37,589.57 U3.7@909.45,589.57 ; 841.21,688.15 842.84,686.52 873.08,686.52 874.55,687.99 U3.12@909.45,687.99 946.99,687.99 950,691 ; 991,1820 1000,1811 U1.10@1000,1757.88 ; U1.27@1356.3,1838.58 1449.8,1838.58 1452.38,1836 v1(1454,1836) 1454,1834.38 1470,1818.38 1470,1813 ; U5.4@2041.41,525.63 2042.49,526.71 2062.71,526.71 2070.12,534.12 2075.88,534.12 2077.47,535.72
  Top Layer w20: 330.3,237.56 330.3,256.96 ; USB2.shell@360.24,227.56 360.24,230.05 369.18,239 384,239 385,240 385,261.57 ; USB2.A1B12@404.33,259.84 404.33,270.67 USB2.A1B12@402.52,272.48 ; USB2.shell@700.39,227.56 USB2.shell@700.39,233.05 ; 744,225 741.8,227.2 678.11,227.2 USB2.B1A12@658.11,247.2 ; 748,242 709.34,242 USB2.shell@700.39,233.05 ; v1(749,262) 746.84,259.84 USB2.B1A12@656.3,259.84 ; 755,273 669.46,273 668.94,272.48 658.11,272.48 656.3,270.67 USB2.B1A12@656.3,259.84 ; 1209,409 1215,403 1364,403 J1.1@1313.98,403 ; 1212,445 1219,438 J1.1@1298.39,438 ; 1298,523 1298.39,522.61 J1.1@1298.39,438 ; 1331,525 1329.57,523.57 J1.1@1329.57,438 ; 1360,438 J1.1@1329.57,438 ; 1583,247 USB1.shell@1657.37,247 ; 1605,263 1606.19,261.81 1620.65,261.81 ; 1620.65,239.53 USB1.shell@1650.59,239.53 ; 1620.65,251.18 1620.65,261.81 ; USB1.shell@1650.59,229.53 USB1.shell@1650.59,239.53 ; 1680.53,229.17 USB1.shell@1670.18,239.53 ; 1968.46,294.45 1946.65,272.64 USB1.B1A12@1946.65,272.19 ; 2028,269 2020.81,261.81 USB1.B1A12@1946.65,261.81 ; 2032,246 1962.46,246 1959.29,249.17 1948.46,249.17 1946.65,250.98 USB1.B1A12@1946.65,261.81 ; 2045,274 1948.46,274 USB1.B1A12@1946.65,272.19 ; 330.3,256.96 330.3,273.28 ; 330.3,256.96 380.39,256.96 385,261.57 ; 330.3,273.28 373.28,273.28 374.09,272.48 ; 330.3,273.28 342.01,285 390,285 USB2.A1B12@402.52,272.48 ; 374.09,272.48 385,261.57 ; 374.09,272.48 USB2.A1B12@402.52,272.48 ; USB2.B1A12@656.3,259.84 656.3,249.02 USB2.B1A12@658.11,247.2 ; USB2.B1A12@658.11,247.2 691.45,247.2 700.39,238.26 USB2.shell@700.39,233.05 ; J1.1@1298.39,438 1298.39,433.9 J1.1@1313.98,418.31 1329.57,433.9 J1.1@1329.57,438 ; J1.1@1298.39,438 J1.1@1329.57,438 ; 1620.65,261.81 1620.65,263.28 1632.37,275 1667.87,275 ; 1620.65,261.81 1670.18,261.81 ; USB1.shell@1650.59,239.53 USB1.shell@1670.18,239.53 ; USB1.shell@1650.59,239.53 1650.59,240.23 USB1.shell@1657.37,247 ; USB1.shell@1657.37,247 1659.54,249.17 USB1.shell@1670.18,249.17 ; USB1.shell@1657.37,247 1668,247 USB1.shell@1670.18,249.17 ; 1667.87,275 1695,275 1695,262.13 USB1.A1B12@1694.69,261.81 ; 1667.87,275 1670.18,272.7 1670.18,261.81 ; USB1.shell@1670.18,239.53 USB1.shell@1670.18,249.17 ; USB1.shell@1670.18,249.17 1692.87,249.17 1694.69,250.98 USB1.A1B12@1694.69,261.81 ; USB1.shell@1670.18,249.17 1670.18,261.81 ; 1670.18,261.81 USB1.A1B12@1694.69,261.81 ; USB1.B1A12@1946.65,261.81 USB1.B1A12@1946.65,272.19
  other v1: 321,276 1965,306 2002,307 713,352 740,352 874,357 1022,475 1047,477 1073,478 2002,480 2002,509 1217,511 1252,511 913,531 656,541 632,543 540,546 855,613 809,614 835,615 857,634 269,635 805,635 855,661 831,662 810,664 47,691 945,716 45,729 947,757 1175,777 1047,781 1128,781 1419,807 437,815 1421,845 621,871 502,880 471,881 653.5,913 653.5,949 924,997 893,999 67,1065 749,1097 1227,1125 1363.47,1141 792,1164 1100,1176 49,1291 391,1306 391,1334 154,1341 63,1352 391,1359 154,1378 64,1390 1345,1410 670,1413 868,1413 1096,1413 1155,1413 1305,1416 768,1419 805,1421 1283,1474 927,1475 1202,1481 690,1495 1312,1514 1338,1515 1536,1523 949,1540 664,1579 651,1605 1407,1685 567,1704 2299,1705 723,1738 1410,1748 704,1763 1552,1765 1396,1770 1555,1794 947,1812 968,1829 935,1833 1705,1867 261,1896 1705,1896 1633,1912 1827,1939 867,1979 835,1982 1249,1989 1018,1990 1085,1997 1281,2012 1601,2065 1285,2101 864,2104 896,2107 1137,2107 1164,2107 161,2112 949,2117 1001,2117 249,2136 162,2137 848,2137 249,2163 1283,2238 1131,2244 1101,2245 1847,2255 1880,2258 462,2260 1074,2272 189,2351 149,2352 487,2373 152,2382 190,2387 306,2413 1669,2414 483,2447 307,2448 483,2478 123,2493 919,2508 617,2520 1447,2532 1407,2533 185,2541 1845,2545 617,2556 735,2576 1846,2579 738,2610 1154,2700 1206,2701 993,2723 1394,2989 1393,3024 2050,3102 2012,3121 462,3441 1737,3484 459,3496 1388,3509 1737,3522 460,3537 1388,3544 1940,3713 1932,3849 1724,3895
INT: U7.12
IR_READ: R33.1 U1.64 | length 1975.8
  Top Layer w5: v1(1039,2468) 1039.19,2467.81 1039.19,2352.55 U1.64@1039.38,2352.36
  Top Layer w10: v1(1771,3695) 1771.15,3695.15 R33.1@1771.15,3741.95
  Mid Layer 2 w5: v1(1039,2468) 1039,2670 1103,2734 1103,3504 1298,3699 1530.74,3699 1534.74,3695 v1(1771,3695)
IR_SEND: R44.1 U1.63 | length 1481.4
  Top Layer w5: v1(1059,2492) 1059,2352.42 U1.63@1059.06,2352.36
  Top Layer w10: R44.1@1320.39,3698.96 1322,3697.35 v1(1322,3658)
  Mid Layer 2 w5: v1(1059,2492) 1059,2674 1118,2733 1118,3497 1279,3658 v1(1322,3658)
LCD_CS: TFT_1.12 U1.88 | length 1940.8
  Top Layer w5: v1(644,2103) 691.88,2055.12 U1.88@761.82,2055.12 ; v1(1837,2667) 1889.44,2667 TFT_1.12@1889.76,2667.32
  Mid Layer 1 w5: v1(633,2599) 645,2611 645,2641 658,2654 1403.14,2654 1416.14,2667 v1(1837,2667)
  Mid Layer 2 w5: v1(633,2599) 633,2582 642,2573 642,2105 v1(644,2103)
LCD_CTR: Q1.1 R8.1 U1.59 | length 898.5
  Top Layer w5: U1.59@1137.8,2352.36 1137.8,2462.55 1249,2573.75 v1(1249,2581.87) ; v1(1658,2501) 1680.9,2523.9 R8.1@1680.9,2544.16 1685.06,2540 1696,2540 1723,2513 Q1.1@1723,2481.8
  Mid Layer 1 w5: v1(1249,2581.87) 1648.13,2581.87 1658,2572 v1(1658,2501)
LCD_D00: TFT_1.18 U1.61 | length 1027.4
  Top Layer w5: U1.61@1098.43,2352.36 1098.43,2481.43 1338.5,2721.5 1384.07,2721.5 1395.57,2733 1396.39,2733 v1(1396.78,2733.39) ; v1(1844,2739) 1844.41,2738.59 1889.36,2738.59 TFT_1.18@1889.76,2738.19
  Mid Layer 1 w5: v1(1396.78,2733.39) 1400.82,2733.39 1406.43,2739 v1(1844,2739)
LCD_D01: TFT_1.19 U1.62 | length 1190.7
  Top Layer w5: U1.62@1078.75,2352.36 1078.75,2487.79 1328.96,2738 v1(1361,2738) ; v1(1969,2750) TFT_1.19@2007.87,2750
  Mid Layer 1 w5: v1(1361,2738) 1382.11,2716.89 1935.89,2716.89 v1(1969,2750)
LCD_D02: TFT_1.20 U1.81 | length 1817.2
  Top Layer w5: v1(698,2211) 716.08,2192.92 U1.81@761.82,2192.92 766.92,2192.92 U1.81@767,2193 ; v1(1819,2762) 1819.09,2761.91 1889.67,2761.91 TFT_1.20@1889.76,2761.81
  Mid Layer 1 w5: v1(702,2750) 714,2762 731,2762 v1(1819,2762)
  Mid Layer 2 w5: v1@699,2212 v1(698,2211) 698,2214.52 691,2221.52 691,2737.67 702,2748.67 v1(702,2750)
LCD_D03: TFT_1.21 U1.82 | length 2002.7
  Top Layer w5: v1(681,2190) 697.77,2173.23 U1.82@761.82,2173.23 ; v1(1948,2772) 1948.81,2772.81 2007.06,2772.81 TFT_1.21@2007.87,2773.62
  Mid Layer 1 w5: v1(681,2772) 1780,2772 1786.5,2778.5 1875.07,2778.5 1881.57,2772 v1(1948,2772)
  Mid Layer 2 w5: v1(681,2190) v1(681,2772)
LCD_D04: TFT_1.22 U1.38 | length 1109.4
  Top Layer w5: U1.38@1356.3,2055.12 1525.82,2055.12 1636,2165.29 1636,2632 1789.43,2785.43 TFT_1.22@1889.76,2785.43
LCD_D05: TFT_1.23 U1.39 | length 1227.6
  Top Layer w5: U1.39@1356.3,2074.81 1524.3,2074.81 1621,2171.51 1621,2644 v1(1767,2790) ; v1(1969,2797) 1969.12,2797.12 2007.75,2797.12 TFT_1.23@2007.87,2797.24
  Mid Layer 1 w5: v1(1767,2790) 1770.52,2790 1777.52,2797 v1(1969,2797)
LCD_D06: TFT_1.24 U1.40 | length 1109
  Top Layer w5: U1.40@1356.3,2094.49 1522.77,2094.49 1606,2177.72 1606,2655 1760.06,2809.06 TFT_1.24@1889.76,2809.06
LCD_D07: TFT_1.25 U1.41 | length 1227.3
  Top Layer w5: U1.41@1356.3,2114.18 1521.24,2114.18 1591,2183.93 1591,2667 v1(1739,2815) ; v1(1948,2820) 1948.43,2820.43 2007.44,2820.43 TFT_1.25@2007.87,2820.87
  Mid Layer 1 w5: v1(1739,2815) 1742.52,2815 1747.52,2820 v1(1948,2820)
LCD_D08: TFT_1.26 U1.42 | length 1107.7
  Top Layer w5: U1.42@1356.3,2133.86 1519.71,2133.86 1576,2190.15 1576,2676.33 1732.34,2832.68 TFT_1.26@1889.76,2832.68
LCD_D09: TFT_1.27 U1.43 | length 1224.6
  Top Layer w5: U1.43@1356.3,2153.55 1518.19,2153.55 1561,2196.36 1561,2686 v1(1710,2835) ; v1(1969,2844) 1969.24,2844.24 2007.63,2844.24 TFT_1.27@2007.87,2844.49
  Mid Layer 1 w5: v1(1710,2835) 1713.52,2835 1722.52,2844 v1(1969,2844)